# Altium PCB MBoard.PcbDoc (part 1 of 2)
Units mm, origin at the board's own origin, x right, y up, seen from the top; angles counter-clockwise.
Board outline 108 x 160 mm, 4 copper layers (Top Layer, Ground Plane, Power Plane, Bottom Layer), stack 0.614 mm thick; 201 components, 150 nets, 885 pads, 306 vias.
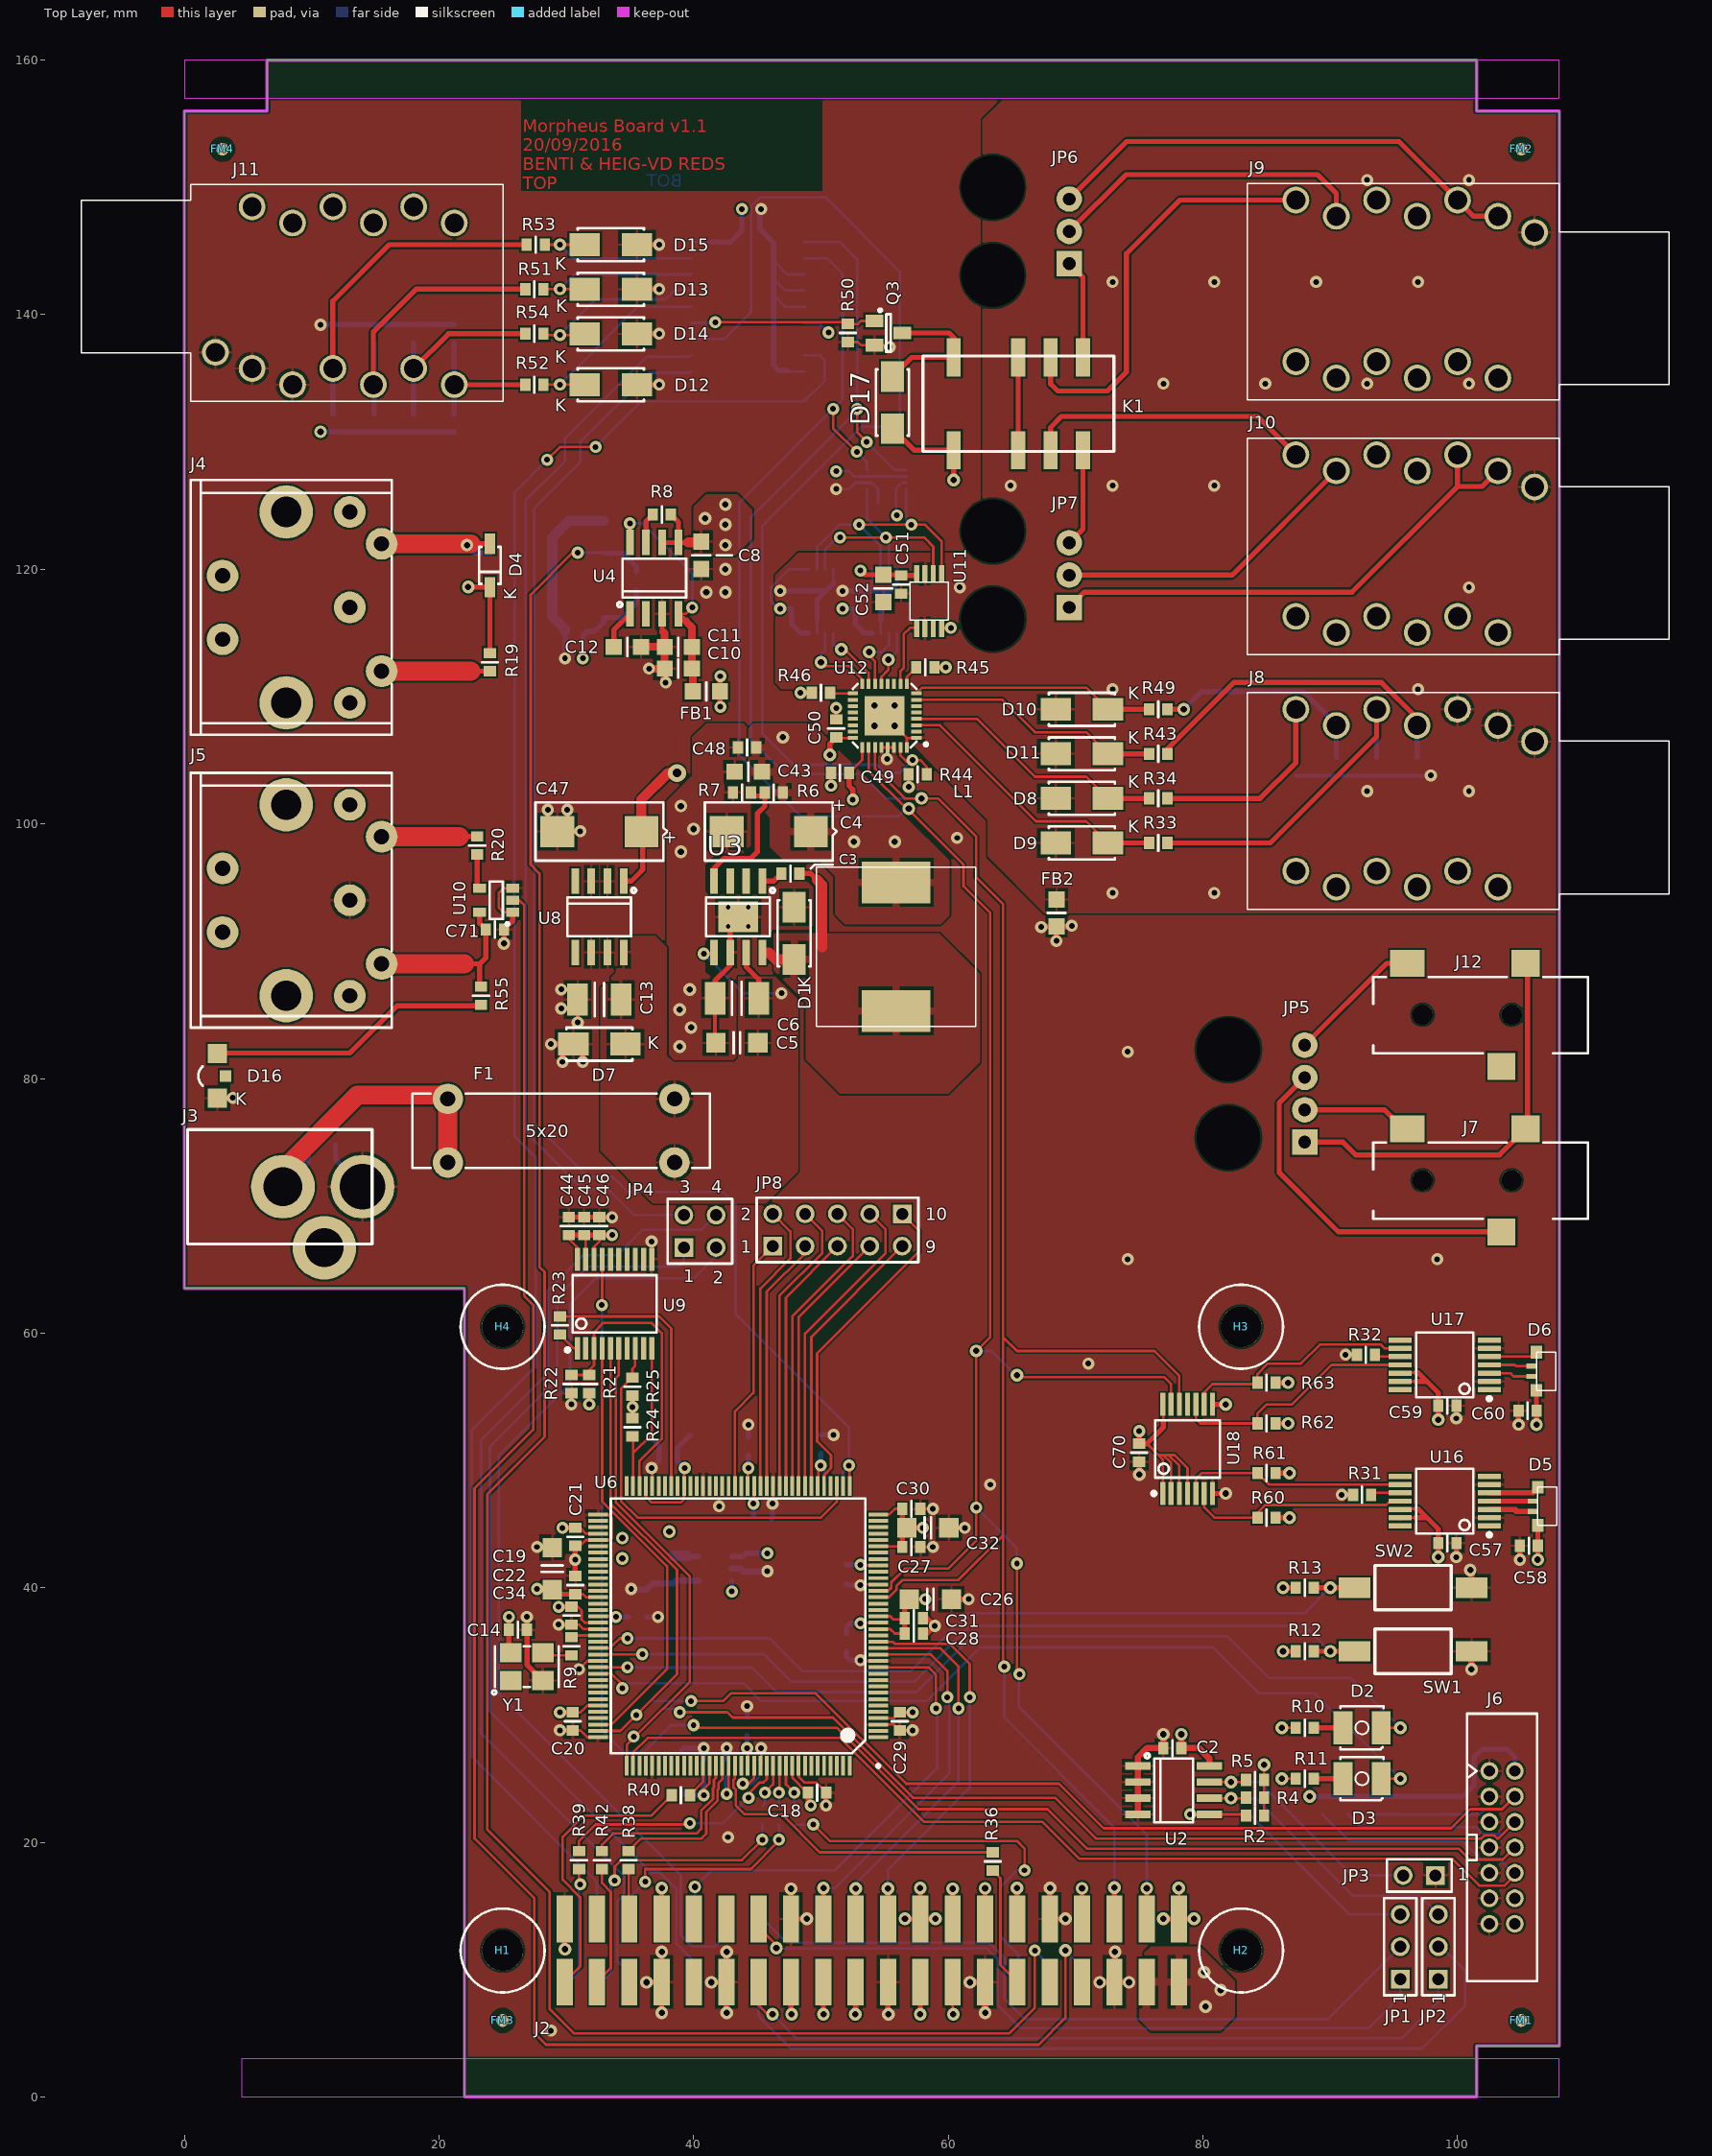
[diagram p0: Top Layer view]
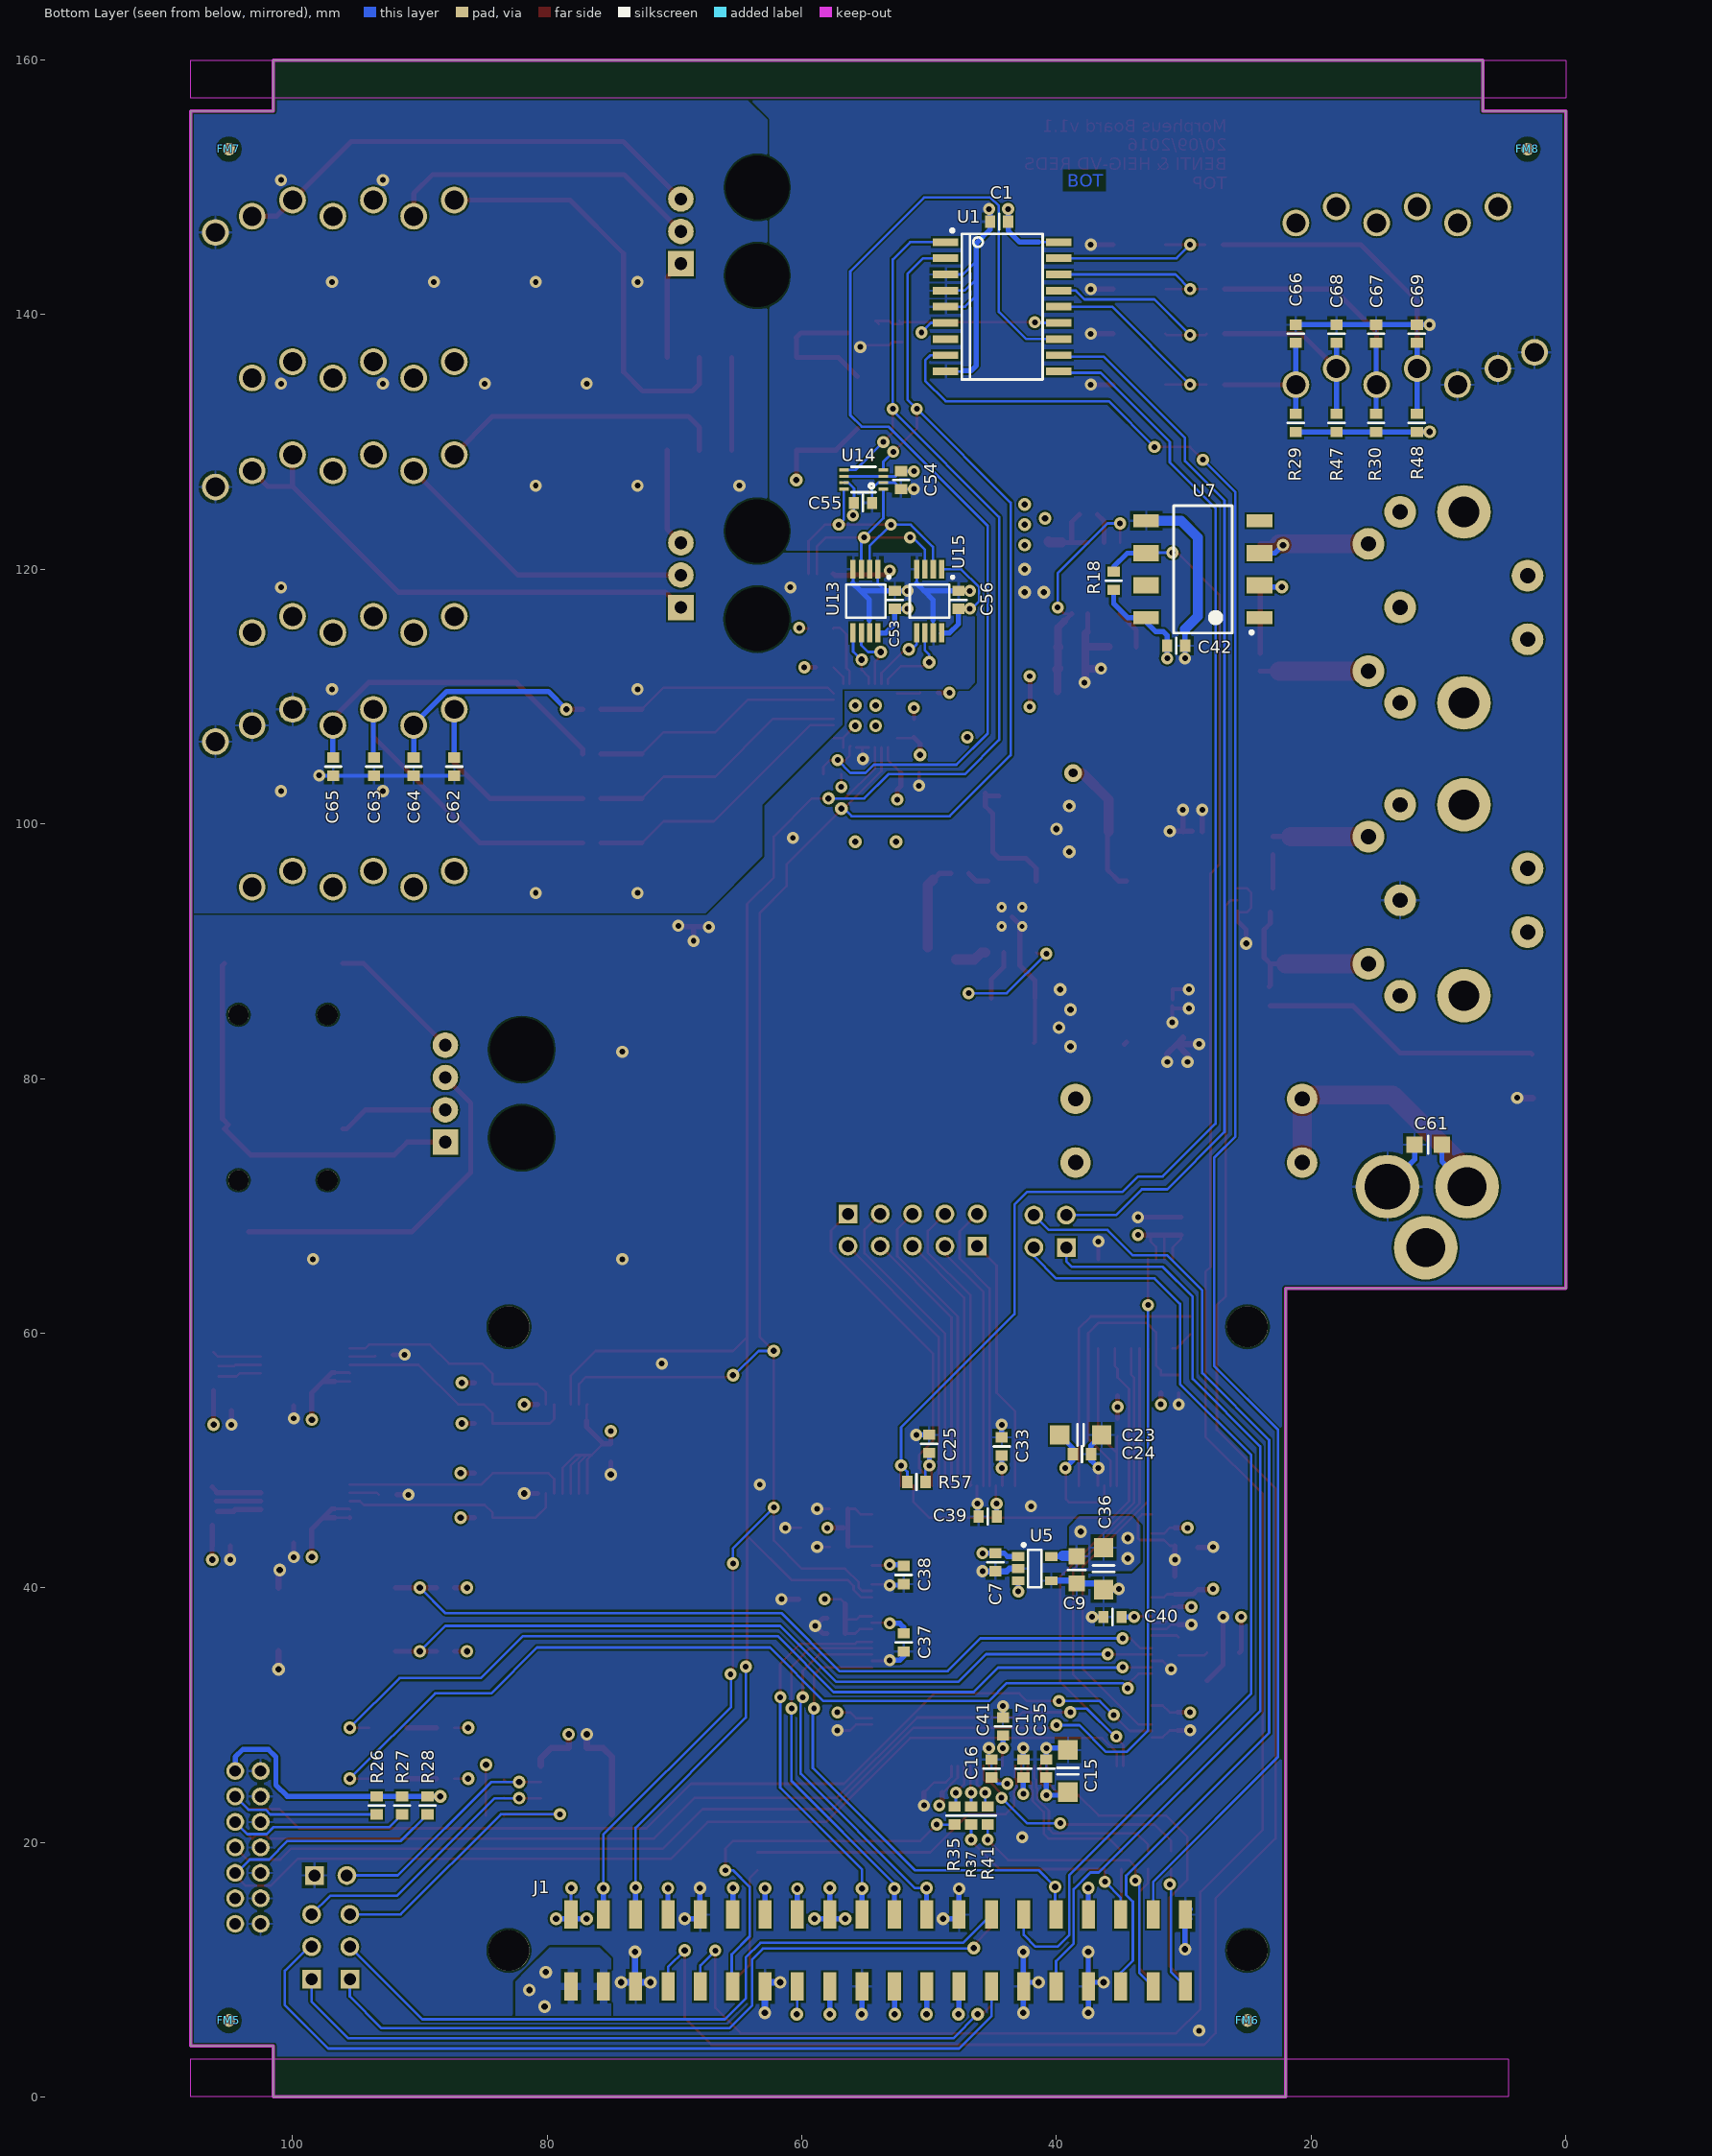
[diagram p1: Bottom Layer view, seen from below]
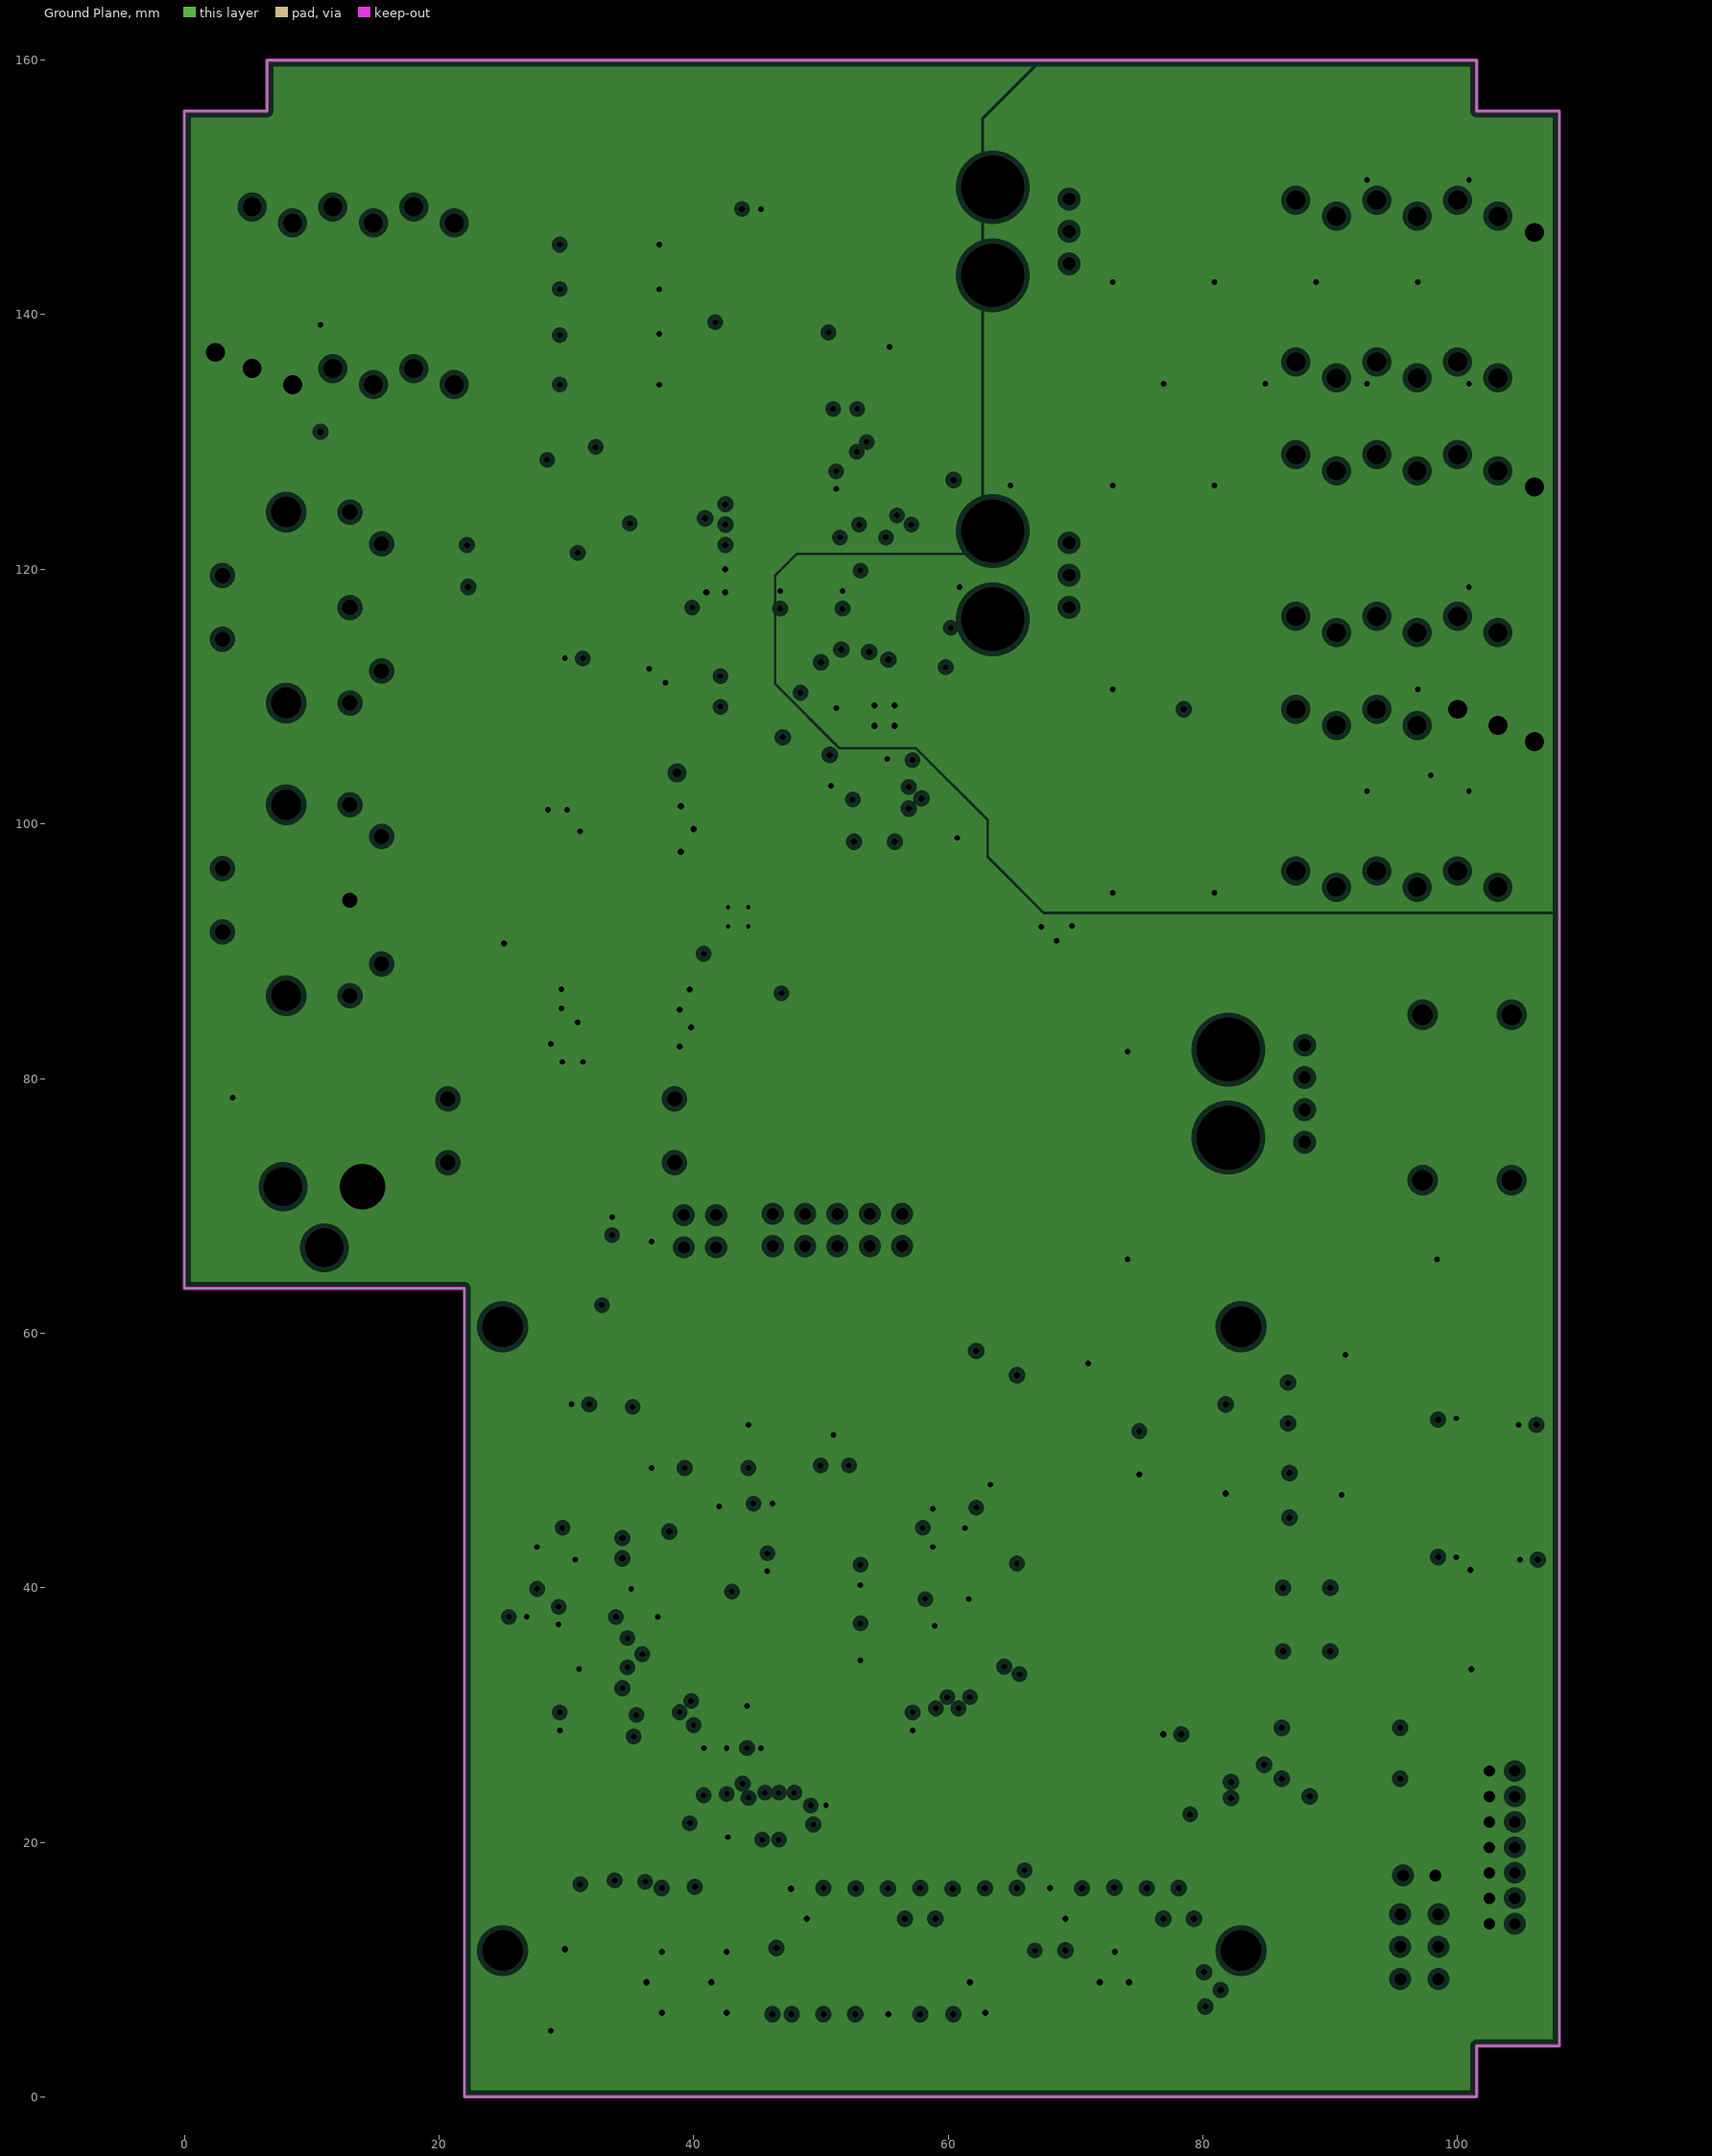
[diagram p2: Ground Plane, clearances drawn from the general rule]